# KiCad board ClockIOT.kicad_pcb (continued)
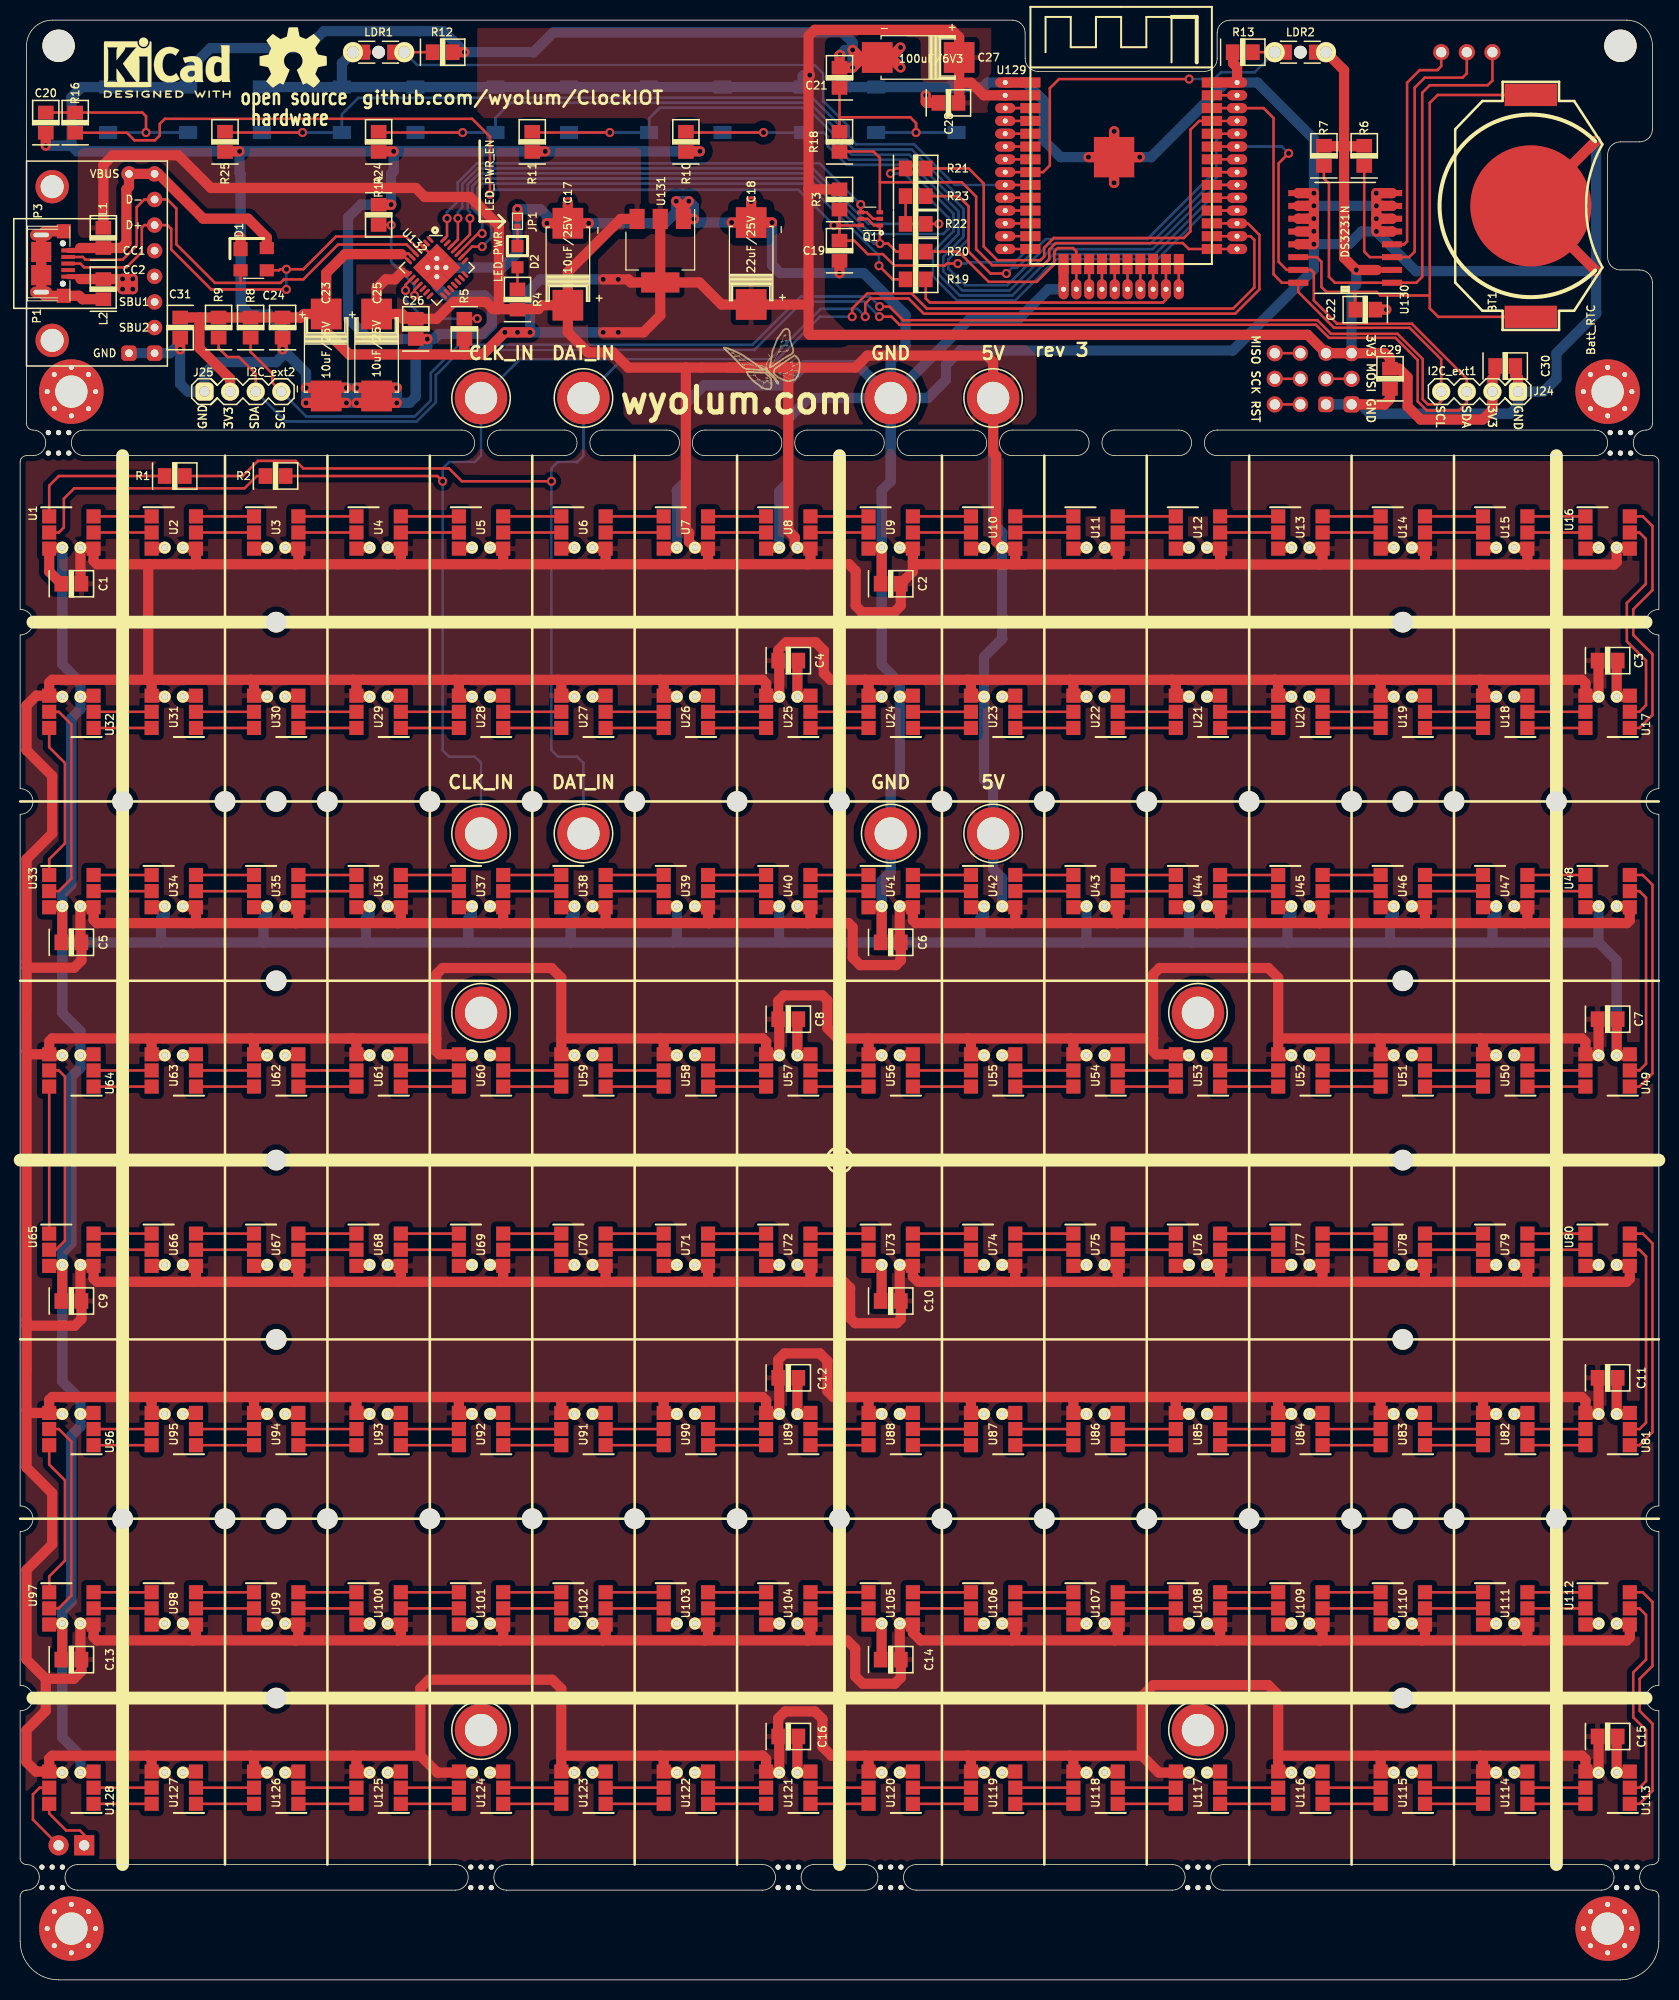
[diagram p0: board, top side]
## Routing (per net, layer and track width the routed paths; a pad name or vN(x,y) marks a point on that pad's centre or on a via; arc(x,y) is an arc through that point)
/3V3: length 367.6
  Top w0.254: 37.88,171.11 37.84,171.11 ; 37.88,171.11 37.94,171.17 38.52,171.17 U132.6 ; 37.88,171.11 U132.7 ; LDR2.1 127.95,191.14
  Top w0.508: U130.2 134.59,169.55 134.59,169.54
  Top w1.016: 131.34,181.81 131.34,170.75 v1(132.55,169.54) 134.59,169.54 ; 131.34,181.81 131.34,189.34 LDR2.1 ; 131.34,181.81 129.34,181.81 ; 131.34,181.81 133.34,181.81 ; U131.2 U131.2 ; U131.2 67.4,168.3 69.58,166.12 C18.1 78.19,166.12 78.21,166.13 ; U131.2 63.5,165.03 61.84,163.36 v1(59.34,163.36) v1(57.84,163.36) ; U131.2 60.58,168.3 60.34,168.55 60.34,168.61 v1(59.34,168.61) v1(57.84,168.61) ; C31.2 17.78,164.83 ; 17.78,164.83 R9.1 R8.1 C24.1 27.83,164.83 ; 17.78,164.83 17.78,161.8 20.83,158.75 20.83,157.48 ; U129.2 U129.2 95.59,186.86 94.34,188.11 93.15,188.11 ; 78.21,166.13 78.21,163.24 78.34,163.11 127.72,163.11 J20.2 J18.1 135.41,161.29 135.89,160.81 C29.1 136.8,159.75 137.64,158.91 137.64,156.01 138.94,154.71 145.09,154.71 146.05,155.68 J24.3 146.05,158.78 146.32,159.05 C30.2 ; 78.21,166.13 78.21,177.58 ; R3.1 78.25,177.53 78.21,177.58 ; 78.21,177.58 78.21,188.73 v1(78.34,188.86) 78.21,188.99 78.21,192.73 78.83,193.35 92.41,193.35 93.15,192.61 C27.1 ; C23.1 28.17,165.17 27.83,164.83 ; C23.1 30.36,163.44 32.64,161.16 44.07,161.16 ; C23.1 30.36,169.24 32.23,171.11 37.84,171.11 ; 93.09,190.55 C27.1 ; C27.1 93.15,188.11 ; 27.83,164.83 28.07,165.07 ; R5.1 44.07,161.16 ; 44.07,161.16 45.89,161.16 v1(48.09,163.36) v1(49.34,163.36) v1(50.59,163.36) ; C28.1 93.15,186.17 93.15,188.11 ; LDR1.1 34.32,191.14
  Bottom w1.016: S6.3 31.91,190.03 LDR1.1 ; S6.3 S6.1 ; S6.3 S5.1 S5.3 S2.1 S2.3 S1.1 S1.3 77.63,188.76 77.72,188.85 78.32,188.85 v1(78.34,188.86) ; v1(50.59,163.36) v1(57.84,163.36) v1(59.34,163.36) ; v1(50.59,163.36) v1(49.34,163.36) v1(48.09,163.36) ; v1(50.59,163.36) 50.59,167.61 51.59,168.61 v1(57.84,168.61) v1(59.34,168.61) ; v1(132.55,169.54) 132.55,168.12 132.08,167.66 J18.1
/5V: length 2163.9
  Top w0.254: U132.8 38.35,169.29
  Top w0.508: 38.35,169.29 38.23,169.29 38.23,169.29 37.85,169.29
  Top w1.016: 149.52,140.34 158.12,140.34 158.38,140.6 158.38,142.01 159.58,142.01 U16.4 ; 149.52,140.34 U15.4 149.42,142.01 148.22,142.01 ; 149.52,140.34 139.06,140.34 ; 124.46,128.91 134.62,128.91 ; 124.46,128.91 114.3,128.91 ; 124.46,128.91 124.8,128.56 U20.4 124.9,127.23 U20.4 ; 134.62,128.91 144.78,128.91 ; 134.62,128.91 134.62,128.88 134.96,128.54 U19.4 135.06,127.23 U19.4 ; 47.63,69.22 57.79,69.22 ; 47.63,69.22 47.92,69.51 47.92,70.79 47.82,70.89 46.62,70.89 ; 47.63,69.22 37.46,69.22 ; 57.79,69.22 58.08,69.51 U70.4 57.98,70.89 56.78,70.89 ; 57.79,69.22 67.94,69.22 ; 43.18,57.79 43.52,57.45 U92.4 43.62,56.11 U92.4 ; 43.18,57.79 33.02,57.79 ; 43.18,57.79 53.34,57.79 ; 57.79,140.36 67.94,140.36 ; 57.79,140.36 58.08,140.66 U6.4 57.98,142.01 56.78,142.01 ; 57.79,140.36 47.63,140.36 ; 67.94,140.36 78.11,140.36 ; 67.94,140.36 68.24,140.66 U7.4 68.14,142.01 U7.4 66.34,142.61 66.34,143.5 66.04,143.81 66.04,159.85 66.06,159.86 ; 98.43,104.78 88.86,104.78 88.56,105.07 U41.4 88.46,106.45 U41.4 87.26,102.97 C6.1 87.36,101.08 86.89,100.61 83.34,100.61 82.59,101.36 82.59,104.36 82.17,104.78 78.11,104.78 ; 98.43,104.78 108.84,104.78 ; 98.43,104.78 98.72,105.07 U42.4 98.62,106.45 U42.4 ; 144.78,128.91 154.94,128.91 155.28,128.56 155.28,127.33 155.38,127.23 U17.4 156.58,130.71 C3.2 ; 144.78,128.91 145.12,128.56 145.12,127.33 145.22,127.23 U18.4 ; 41.27,93.35 41.27,99.7 41.91,100.33 52.71,100.33 53.68,99.36 53.68,93.35 ; 41.27,93.35 41.27,92.08 41.58,91.77 U60.4 43.62,91.67 U60.4 ; 41.27,93.35 32.38,93.35 ; 88.56,140.66 U9.4 88.46,142.01 U9.4 ; 88.56,140.66 88.56,139.64 87.36,138.44 C2.1 87.36,136.27 86.71,135.61 83.52,135.61 82.89,136.24 82.89,139.7 82.22,140.36 78.11,140.36 ; 88.56,140.66 88.86,140.36 99.68,140.36 ; 37.46,140.36 47.63,140.36 ; 37.46,140.36 37.76,140.66 U4.4 37.66,142.01 U4.4 ; 37.46,140.36 27.3,140.36 ; 47.63,140.36 47.92,140.66 47.92,141.91 47.82,142.01 46.62,142.01 ; 12.7,22.23 3.18,22.23 2.88,21.93 U128.4 ; 12.7,22.23 13.04,21.89 U127.4 13.14,20.55 U127.4 ; 12.7,22.23 22.86,22.23 ; 12.84,140.36 7.62,140.36 7.28,140.7 U1.4 7.18,142.01 U1.4 5.98,138.53 C1.1 ; 12.84,140.36 17.15,140.36 ; 12.84,140.36 12.7,140.23 12.7,128.91 ; U45.4 129.1,106.45 U45.4 129.2,105.07 128.91,104.78 ; 0.65,64.86 0.63,56.52 ; 0.65,64.86 0.63,65.41 0.63,92.08 ; 0.65,64.86 5.42,64.86 6.08,65.52 C9.1 5.98,67.41 U65.4 7.18,70.89 U65.4 7.28,69.56 7.62,69.22 17.15,69.22 ; 0.63,56.52 0.94,56.21 U96.4 ; 0.63,56.52 0.63,50.8 3.18,48.26 3.18,43.18 0.63,40.64 0.63,31.75 2.54,29.85 ; 17.15,33.66 27.3,33.66 ; 17.15,33.66 17.44,33.95 U98.4 17.34,35.33 U98.4 ; 17.15,33.66 7.62,33.66 7.28,34 U97.4 7.18,35.33 U97.4 5.98,31.85 C13.1 6.08,30.61 5.31,29.85 2.54,29.85 ; 27.3,33.66 37.46,33.66 ; 27.3,33.66 27.6,33.95 U99.4 27.5,35.33 U99.4 ; 61.2,174.6 59.57,174.6 54.34,169.36 C17.1 ; 149.22,69.22 159.39,69.22 159.68,69.51 U80.4 159.58,70.89 158.38,70.89 ; 149.22,69.22 149.52,69.51 U79.4 149.42,70.89 148.22,70.89 ; 149.22,69.22 139.06,69.22 ; 134.62,22.23 124.8,22.23 ; 134.62,22.23 134.96,21.89 U115.4 135.06,20.55 U115.4 ; 134.62,22.23 144.78,22.23 ; 124.8,22.23 124.8,28.24 123.81,29.22 112.41,29.22 111.28,28.1 111.28,22.23 ; 124.8,22.23 U116.4 124.9,20.55 U116.4 ; 12.7,57.79 22.86,57.79 ; 12.7,57.79 12.7,57.76 13.04,57.42 U95.4 13.14,56.11 U95.4 ; 12.7,57.79 3.18,57.79 2.88,57.49 U96.4 ; 22.86,57.79 33.02,57.79 ; 22.86,57.79 23.2,57.45 U94.4 23.3,56.11 U94.4 ; 0.65,100.36 0.63,100.97 0.63,111.12 3.18,113.67 3.18,119.38 0.63,121.92 0.63,126.37 1.6,127.33 U32.4 ; 0.65,100.36 0.63,92.08 ; 0.65,100.36 5.36,100.36 6.08,101.08 C5.1 5.98,102.97 U33.4 7.18,106.45 U33.4 7.28,105.12 7.62,104.78 17.15,104.78 ; 0.63,92.08 0.94,91.77 U64.4 ; 17.15,104.78 17.44,105.07 U34.4 17.34,106.45 U34.4 ; 17.15,104.78 27.3,104.78 ; 134.62,93.35 134.96,93.01 U51.4 135.06,91.67 U51.4 ; 134.62,93.35 124.8,93.35 ; 134.62,93.35 144.78,93.35 ; U27.4 53.78,127.23 U27.4 53.68,128.56 53.34,128.91 ; 46.62,106.45 47.82,106.45 47.92,106.35 47.92,105.07 47.63,104.78 ; 108.59,69.22 118.75,69.22 ; 108.59,69.22 98.43,69.22 ; 108.59,69.22 108.88,69.51 U75.4 108.78,70.89 U75.4 ; 118.75,69.22 119.04,69.51 U76.4 118.94,70.89 U76.4 ; 118.75,69.22 128.91,69.22 ; U118.4 104.58,20.55 U118.4 104.48,21.89 104.14,22.23 ; U64.4 2.88,93.05 3.18,93.35 12.7,93.35 ; U64.4 2.98,91.67 U64.4 ; 17.15,69.22 27.3,69.22 ; 17.15,69.22 17.44,69.51 U66.4 17.34,70.89 U66.4 ; 27.3,69.22 27.6,69.51 U67.4 27.5,70.89 U67.4 ; 27.3,69.22 37.46,69.22 ; 84.09,93.35 84.16,93.27 84.16,91.77 84.26,91.67 U56.4 ; 84.09,93.35 81.1,93.35 80.09,94.36 80.09,97.11 79.59,97.61 75.77,97.61 75.2,97.04 C8.2 75.3,95.15 U57.4 74.1,91.67 U57.4 74,93.01 73.66,93.35 63.5,93.35 ; 84.09,93.35 93.98,93.35 ; 78.11,140.36 78.4,140.66 U8.4 78.3,142.01 U8.4 76.84,142.28 76.84,143.05 76.2,143.68 76.2,159.86 76.21,159.86 ; U104.4 78.3,35.33 U104.4 78.4,33.95 78.11,33.66 ; 17.15,140.36 27.3,140.36 ; 17.15,140.36 17.44,140.66 U2.4 17.34,142.01 U2.4 ; 27.3,140.36 27.6,140.66 U3.4 27.5,142.01 U3.4 ; U93.4 33.46,56.11 U93.4 33.36,57.45 33.02,57.79 ; 128.91,140.34 121.88,140.34 121.86,140.36 118.75,140.36 ; 128.91,140.34 129.2,140.63 U13.4 129.1,142.01 U13.4 ; 128.91,140.34 139.06,140.34 ; U32.4 2.98,127.23 U32.4 ; U32.4 2.88,128.61 3.18,128.91 12.7,128.91 ; U85.4 114.74,56.11 U85.4 114.64,57.45 114.3,57.79 ; 124.8,93.35 U52.4 124.9,91.67 U52.4 ; 124.8,93.35 124.8,99.36 123.83,100.33 113.03,100.33 112.4,99.7 112.4,93.35 ; 139.06,33.66 139.36,33.95 U110.4 139.26,35.33 U110.4 ; 139.06,33.66 149.22,33.66 ; 139.06,33.66 128.91,33.66 ; 83.82,22.23 80.47,22.23 79.59,23.11 79.59,25.86 78.84,26.61 75.89,26.61 75.2,25.92 C16.2 75.3,24.03 U121.4 74.1,20.55 U121.4 74,21.89 73.66,22.23 63.5,22.23 ; 83.82,22.23 93.98,22.23 ; 83.82,22.23 84.16,21.89 84.16,20.65 84.26,20.55 U120.4 ; 22.86,93.35 32.99,93.35 33.36,92.98 U61.4 33.46,91.67 U61.4 ; 22.86,93.35 12.7,93.35 ; 22.86,93.35 23.2,93.01 U62.4 23.3,91.67 U62.4 ; 104.14,128.91 104.48,128.56 U22.4 104.58,127.23 U22.4 ; 104.14,128.91 114.3,128.91 ; 104.14,128.91 93.98,128.91 ; 53.34,57.79 63.5,57.79 ; 53.34,57.79 53.68,57.45 U91.4 53.78,56.11 U91.4 ; 63.5,57.79 73.66,57.79 74,57.45 U89.4 74.1,56.11 U89.4 75.3,59.59 C12.2 75.2,61.48 75.83,62.11 79.34,62.11 80.09,61.36 80.09,58.36 80.66,57.79 83.82,57.79 ; 63.5,57.79 63.84,57.45 U90.4 63.94,56.11 U90.4 ; 118.75,33.66 119.04,33.95 U108.4 118.94,35.33 U108.4 ; 118.75,33.66 108.59,33.66 ; 118.75,33.66 128.91,33.66 ; 83.82,57.79 84.16,57.45 84.16,56.21 84.26,56.11 U88.4 ; 83.82,57.79 93.34,57.79 ; 57.79,33.66 58.08,33.95 U102.4 57.98,35.33 56.78,35.33 ; 57.79,33.66 47.63,33.66 ; 57.79,33.66 67.94,33.66 ; 37.46,69.22 37.76,69.51 U68.4 37.66,70.89 U68.4 ; 139.06,140.34 139.36,140.63 U14.4 139.26,142.01 U14.4 ; 104.14,57.79 104.48,57.45 U86.4 104.58,56.11 U86.4 ; 104.14,57.79 114.3,57.79 ; 104.14,57.79 93.34,57.79 ; 93.34,57.79 93.95,57.79 94.32,57.42 U87.4 94.42,56.11 U87.4 ; U125.4 33.46,20.55 U125.4 33.36,21.89 33.02,22.23 ; 108.84,104.78 108.88,104.82 U43.4 108.78,106.45 U43.4 ; 108.84,104.78 118.75,104.78 ; 98.43,33.66 89.34,33.66 88.56,34.43 U105.4 88.46,35.33 U105.4 87.26,31.85 C14.1 87.36,29.96 86.76,29.36 83.59,29.36 82.84,30.11 82.84,32.86 82.04,33.66 78.11,33.66 ; 98.43,33.66 98.72,33.95 U106.4 98.62,35.33 U106.4 ; 98.43,33.66 108.59,33.66 ; 27.3,104.78 27.6,105.07 U35.4 27.5,106.45 U35.4 ; 27.3,104.78 37.46,104.78 ; 112.4,93.35 112.4,92.08 112.7,91.77 U53.4 114.74,91.67 U53.4 ; 112.4,93.35 104.14,93.35 ; 124.46,57.79 133.99,57.79 ; 124.46,57.79 124.8,57.45 U84.4 124.9,56.11 U84.4 ; 124.46,57.79 114.3,57.79 ; 133.99,57.79 144.78,57.79 ; 133.99,57.79 134.59,57.79 134.96,57.42 U83.4 135.06,56.11 U83.4 ; 98.43,69.22 89.09,69.22 88.56,69.74 U73.4 88.46,70.89 U73.4 87.26,67.41 C10.1 87.36,65.52 86.95,65.11 82.84,65.11 82.34,65.61 82.34,68.61 81.73,69.22 78.11,69.22 ; 98.43,69.22 98.72,69.51 U74.4 98.62,70.89 U74.4 ; 12.7,93.35 13.04,93.01 U63.4 13.14,91.67 U63.4 ; 53.68,93.35 63.5,93.35 ; 53.68,93.35 U59.4 53.78,91.67 U59.4 ; 111.28,22.23 112.96,20.55 U117.4 114.74,20.55 U117.4 ; 111.28,22.23 104.14,22.23 ; U77.4 129.1,70.89 U77.4 129.2,69.51 128.91,69.22 ; L1.1 8.26,179.96 9.2,180.91 15.69,180.91 18.92,177.67 39.24,177.67 40.13,176.78 44.63,176.78 47.49,173.93 47.49,165.67 47.48,165.66 ; 66.06,159.86 60.34,159.86 58.84,161.36 56.34,161.36 54.34,163.36 C17.1 ; 66.06,159.86 70.34,159.86 ; U44.4 118.94,106.45 U44.4 119.04,105.07 118.75,104.78 ; U21.4 114.74,127.23 U21.4 114.64,128.56 114.3,128.91 ; 63.5,93.35 63.84,93.01 U58.4 63.94,91.67 U58.4 ; 39.7,22.23 39.7,28.91 40.55,29.76 52.79,29.76 53.68,28.87 53.68,22.23 ; 39.7,22.23 41.38,20.55 U124.4 43.62,20.55 U124.4 ; 39.7,22.23 33.02,22.23 ; 144.78,57.79 145.12,57.45 145.12,56.21 145.22,56.11 U82.4 ; 144.78,57.79 154.91,57.79 155.28,57.42 155.28,56.21 155.38,56.11 U81.4 156.58,59.59 C11.2 ; U96.4 2.98,56.11 U96.4 ; 22.86,128.91 23.2,128.56 U30.4 23.3,127.23 U30.4 ; 22.86,128.91 33.02,128.91 ; 22.86,128.91 12.7,128.91 ; U103.4 68.14,35.33 U103.4 68.24,33.95 67.94,33.66 ; 47.63,33.66 37.46,33.66 ; 47.63,33.66 47.92,33.95 47.92,35.23 47.82,35.33 46.62,35.33 ; 37.46,33.66 37.76,33.95 U100.4 37.66,35.33 U100.4 ; U40.4 78.3,106.45 U40.4 78.4,105.07 78.11,104.78 ; 49.34,165.66 48.29,165.66 ; 49.34,165.66 47.48,165.66 ; 49.34,165.66 51.41,165.66 51.79,166.05 C17.1 ; 56.78,106.45 57.98,106.45 U38.4 58.08,105.07 57.79,104.78 ; 99.68,140.36 98.43,140.36 98.72,140.66 U10.4 98.62,142.01 U10.4 96.82,142.61 96.82,151.14 96.52,151.44 J7.1 96.52,160.43 95.9,161.05 84.05,161.05 82.86,159.86 76.21,159.86 ; 99.68,140.36 108.59,140.36 ; 47.63,104.78 57.79,104.78 ; 47.63,104.78 37.46,104.78 ; 57.79,104.78 68.33,104.78 ; 128.91,104.78 118.75,104.78 ; 128.91,104.78 139.06,104.78 ; U72.4 78.3,70.89 U72.4 78.4,69.51 78.11,69.22 ; 37.85,169.29 37.16,168.61 36.26,168.61 35.36,167.71 C25.1 37.9,165.17 37.99,165.08 37.99,164.7 C26.1 41.32,164.7 42.99,166.37 46.23,166.37 46.94,165.66 47.48,165.66 ; 104.14,93.35 93.98,93.35 ; 104.14,93.35 104.48,93.01 U54.4 104.58,91.67 U54.4 ; 128.91,33.66 129.2,33.95 U109.4 129.1,35.33 U109.4 ; 76.21,159.86 70.34,159.86 ; 149.22,104.78 159.39,104.78 159.68,105.07 U48.4 159.58,106.45 158.38,106.45 ; 149.22,104.78 149.52,105.07 U47.4 149.42,106.45 148.22,106.45 ; 149.22,104.78 139.06,104.78 ; 12.7,128.91 13.04,128.56 U31.4 13.14,127.23 U31.4 ; 53.68,22.23 U123.4 53.78,20.55 U123.4 ; 53.68,22.23 63.5,22.23 ; 128.91,69.22 139.06,69.22 ; 144.78,22.23 154.94,22.23 155.28,21.89 155.28,20.65 155.38,20.55 U113.4 156.58,24.03 C15.2 ; 144.78,22.23 145.12,21.89 145.12,20.65 145.22,20.55 U114.4 ; U50.4 145.22,91.67 145.12,91.77 145.12,93.01 144.78,93.35 ; U122.4 63.94,20.55 U122.4 63.84,21.89 63.5,22.23 ; U128.4 2.98,20.55 U128.4 ; U128.4 1.58,20.65 0.63,21.59 0.63,24.77 2.54,26.67 2.54,29.85 ; 139.06,69.22 139.36,69.51 U78.4 139.26,70.89 U78.4 ; U26.4 63.94,127.23 U26.4 63.84,128.56 63.5,128.91 ; 93.98,22.23 104.14,22.23 ; 93.98,22.23 94.32,21.89 U119.4 94.42,20.55 U119.4 ; 149.22,33.66 159.39,33.66 159.68,33.95 U112.4 159.58,35.33 158.38,35.33 ; 149.22,33.66 149.52,33.95 U111.4 149.42,35.33 148.22,35.33 ; 33.02,128.91 43.18,128.91 ; 33.02,128.91 33.36,128.56 U29.4 33.46,127.23 U29.4 ; 93.98,93.35 94.32,93.01 U55.4 94.42,91.67 U55.4 ; 37.46,104.78 37.76,105.07 U36.4 37.66,106.45 U36.4 ; C7.2 156.58,95.15 U49.4 155.38,91.67 155.28,91.77 155.28,93.01 154.94,93.35 144.78,93.35 ; 53.34,128.91 43.18,128.91 ; 53.34,128.91 63.5,128.91 ; 78.11,69.22 67.94,69.22 ; 70.34,159.86 72.84,159.86 ; U23.4 94.42,127.23 U23.4 94.32,128.56 93.98,128.91 ; 43.18,128.91 43.52,128.56 U28.4 43.62,127.23 U28.4 ; 108.59,33.66 108.88,33.95 U107.4 108.78,35.33 U107.4 ; 63.5,128.91 73.66,128.91 73.66,128.88 74,128.54 U25.4 74.1,127.23 U25.4 75.3,130.71 C4.2 75.2,131.84 76,132.63 78.92,132.63 79.72,131.82 79.72,129.56 80.38,128.91 83.82,128.91 ; 33.02,22.23 22.86,22.23 ; 67.94,33.66 78.11,33.66 ; 78.11,104.78 68.33,104.78 ; 139.06,104.78 139.36,105.07 U46.4 139.26,106.45 U46.4 ; 108.59,140.36 118.75,140.36 ; 108.59,140.36 108.88,140.66 U11.4 108.78,142.01 U11.4 ; U126.4 23.3,20.55 U126.4 23.2,21.89 22.86,22.23 ; 118.75,140.36 119.04,140.66 U12.4 118.94,142.01 U12.4 ; 93.98,128.91 83.82,128.91 ; 68.33,104.78 68.24,104.86 U39.4 68.14,106.45 U39.4 ; 67.94,69.22 68.24,69.51 U71.4 68.14,70.89 U71.4 ; 83.82,128.91 84.16,128.56 84.16,127.33 84.26,127.23 U24.4
  Bottom w1.016: J7.1 96.52,144.43 97.42,143.53 U10.4 97.42,132.98 95.62,131.18 U23.4 95.62,119.01 96.52,118.11 J15.1 96.52,110.13 97.42,109.23 U42.4
/esp_pwr_uart/VBUS: length 30.5
  Top w0.508: 5.95,171.72 5.95,171.48 5.94,171.48 P1.1
  Top w1.016: 5.95,171.72 L1.2 10.05,171.72 10.54,172.22 10.54,177.55 10.8,177.8 P3.1 P3.2 13.72,179.07 18.16,174.62 22.61,174.62 24.46,172.77 D1.4
GND: length 1429.8
  Top w0.254: 41.84,171.26 41.97,171.12 41.97,170.41 ; U132.29 41.14,170.67 U132.3
  Top w0.508: P1.5 5.94,168.88 5.98,168.84 5.98,168.64
  Top w1.016: v1(70.59,174.24) C18.2 ; C18.2 72.52,176.32 v1(72.52,176.32) ; C18.2 74.58,174.24 v1(74.59,174.24) ; v1(156.34,169.42) BT1.2 149.87,175.9 v1(156.33,182.36) ; U103.3 63.94,35.33 U103.3 ; v1(128.34,173.38) 128.34,172.11 v1(128.35,172.1) 126.81,172.1 U130.13 ; v1(128.34,173.38) 128.31,173.36 U130.12 ; v1(128.34,173.38) v1(128.34,174.63) ; v1(134.53,175.9) v1(134.53,174.62) ; v1(134.53,175.9) 134.53,175.91 v1(134.53,177.16) 136.09,177.16 U130.8 ; v1(134.53,175.9) 136.09,175.9 U130.7 ; v1(134.53,174.62) 136.09,174.62 U130.6 ; v1(134.53,174.62) v1(134.53,173.36) 136.09,173.36 U130.5 ; U53.3 118.94,91.67 U53.3 ; U52.3 129.1,91.67 U52.3 ; U107.3 104.58,35.33 U107.3 ; U113.3 159.58,20.55 158.38,20.55 158.38,24.03 C15.1 ; U110.3 135.06,35.33 U110.3 ; C28.2 89.95,186.11 89.84,186.22 v1(89.84,186.86) ; U129.15 U129.15 ; U62.3 27.5,91.67 U62.3 ; U68.3 33.46,70.89 U68.3 ; U69.3 43.62,70.89 U69.3 ; U14.3 135.06,142.01 U14.3 ; U118.3 108.78,20.55 U118.3 ; U120.3 88.46,20.55 U120.3 ; v1(10.16,168.66) v1(10.16,167.64) v1(11.18,167.64) v1(11.18,168.66) v1(10.16,168.66) ; v1(10.16,168.66) 10.14,168.64 L2.1 5.98,168.64 ; U26.3 68.14,127.23 U26.3 ; U86.3 108.78,56.11 U86.3 ; C11.1 158.38,59.59 158.38,56.11 159.58,56.11 U81.3 ; U129.1 U129.1 ; v1(81.28,169.23) 81.28,169.24 C19.2 ; 47.92,20.65 47.82,20.55 46.62,20.55 ; U131.1 v1(66.84,174.6) ; U131.1 65.8,175.65 v1(65.09,176.36) ; U131.1 65.8,175.83 v1(66.34,176.36) ; U5.3 43.62,142.01 U5.3 ; U6.3 53.78,142.01 U6.3 ; U122.3 68.14,20.55 U122.3 ; U85.3 118.94,56.11 U85.3 ; U80.3 155.38,70.89 155.28,70.79 ; C17.2 52.26,174.17 v1(52.26,174.17) ; C17.2 56.4,174.17 v1(56.4,174.17) ; C17.2 v1(54.34,176.25) ; U12.3 114.74,142.01 U12.3 ; C25.2 34.54,157.86 v1(33.36,157.86) ; C25.2 36.17,157.86 v1(37.36,157.86) ; C25.2 36.04,156.36 v1(37.36,156.36) ; C25.2 34.67,156.36 v1(33.36,156.36) ; U115.3 139.26,20.55 U115.3 ; U64.3 7.18,91.67 U64.3 ; C23.2 29.67,156.36 v1(28.36,156.36) ; C23.2 31.17,157.86 v1(32.36,157.86) ; C23.2 31.04,156.36 v1(32.36,156.36) ; C23.2 29.54,157.86 v1(28.36,157.86) ; 56.78,91.67 57.98,91.67 U59.3 ; 145.12,35.23 145.22,35.33 U111.3 ; U66.3 13.14,70.89 U66.3 ; U3.3 23.3,142.01 U3.3 ; U98.3 13.14,35.33 U98.3 ; 155.28,106.35 155.38,106.45 U48.3 ; C2.2 85.46,138.53 U9.3 84.26,142.01 84.16,141.91 ; C1.2 2.88,139.63 U1.3 2.98,142.01 U1.3 ; v1(81.34,190.86) 81.28,190.81 C21.1 82.57,189.6 v1(82.59,189.61) 83.59,190.61 C27.2 ; U100.3 33.46,35.33 U100.3 ; C10.2 85.46,67.41 U73.3 84.26,70.89 84.16,70.79 ; U76.3 114.74,70.89 U76.3 ; C4.1 77.1,130.71 U25.3 78.3,127.23 U25.3 ; U10.3 94.42,142.01 U10.3 ; U2.3 13.14,142.01 U2.3 ; U24.3 88.46,127.23 U24.3 ; U34.3 13.14,106.45 U34.3 ; U127.3 17.34,20.55 U127.3 ; R24.2 35.62,181.3 v1(37.05,181.3) ; C14.2 85.46,31.85 U105.3 84.26,35.33 84.16,35.23 ; v1(128.35,175.9) 128.35,174.64 v1(128.34,174.63) ; v1(128.34,175.9) v1(128.34,177.16) 126.8,177.16 U130.9 ; v1(128.35,175.9) 126.8,175.9 U130.10 ; C13.2 4.18,31.85 U97.3 2.98,35.33 U97.3 ; 148.22,127.23 149.42,127.23 U18.3 ; U108.3 114.74,35.33 U108.3 ; C31.1 v1(15.88,161.67) ; C6.2 85.46,102.97 U41.3 84.26,106.45 84.16,106.35 ; U15.3 145.22,142.01 145.12,141.91 ; U51.3 139.26,91.67 U51.3 ; U130.11 126.8,174.63 v1(128.34,174.63) ; U88.3 88.46,56.11 U88.3 ; 66.04,181.29 66.06,181.31 v1(67.44,181.31) ; U23.3 98.62,127.23 U23.3 ; 148.22,20.55 149.42,20.55 U114.3 ; U123.3 57.98,20.55 56.78,20.55 ; U117.3 118.94,20.55 U117.3 ; U7.3 63.94,142.01 U7.3 ; U96.3 7.18,56.11 U96.3 ; U40.3 74.1,106.45 U40.3 ; U95.3 17.34,56.11 U95.3 ; U89.3 78.3,56.11 U89.3 77.1,59.59 C12.1 ; U94.3 27.5,56.11 U94.3 ; U102.3 53.78,35.33 U102.3 ; C20.2 v1(2.54,181.86) ; U90.3 68.14,56.11 U90.3 ; U13.3 124.9,142.01 U13.3 ; U29.3 37.66,127.23 U29.3 ; U55.3 98.62,91.67 U55.3 ; U44.3 114.74,106.45 U44.3 ; U125.3 37.66,20.55 U125.3 36.46,20.52 ; U106.3 94.42,35.33 U106.3 ; C16.1 77.1,24.03 U121.3 78.3,20.55 U121.3 ; C8.1 77.1,95.15 U57.3 78.3,91.67 U57.3 ; U45.3 124.9,106.45 U45.3 ; U87.3 98.62,56.11 U87.3 ; U119.3 98.62,20.55 U119.3 ; U31.3 17.34,127.23 U31.3 ; U50.3 149.42,91.67 148.22,91.67 ; J24.4 148.59,158.83 148.32,159.1 C30.1 ; U74.3 94.42,70.89 U74.3 ; U11.3 104.58,142.01 U11.3 ; U101.3 43.62,35.33 U101.3 ; U46.3 135.06,106.45 U46.3 ; U49.3 159.58,91.67 158.38,91.67 158.38,95.15 C7.1 ; U109.3 124.9,35.33 U109.3 ; 46.62,56.11 47.82,56.11 47.92,56.21 ; U116.3 129.1,20.55 U116.3 ; U93.3 37.66,56.11 U93.3 ; C9.2 4.18,67.41 U65.3 2.98,70.89 U65.3 ; U42.3 94.42,106.45 U42.3 ; U22.3 108.78,127.23 U22.3 ; v1(21.77,181.31) 20.38,181.31 R25.2 ; U58.3 68.14,91.67 U58.3 ; U35.3 23.3,106.45 U35.3 ; C27.2 83.34,190.61 v1(82.59,191.36) ; C27.2 86.34,190.61 ; U30.3 27.5,127.23 U30.3 ; U79.3 145.22,70.89 145.12,70.79 ; U67.3 23.3,70.89 U67.3 ; U43.3 104.58,106.45 U43.3 ; U129.39 v1(105.97,180.73) ; U129.39 v1(111.06,180.73) ; U129.39 108.52,178.19 v1(108.52,178.18) ; U129.39 108.52,183.29 v1(108.53,183.29) ; U72.3 74.1,70.89 U72.3 ; U37.3 43.62,106.45 U37.3 ; U71.3 63.94,70.89 U71.3 ; U47.3 145.22,106.45 145.12,106.35 ; C5.2 4.18,102.97 U33.3 2.98,106.45 U33.3 ; U32.3 7.18,127.23 U32.3 ; U63.3 17.34,91.67 U63.3 ; U61.3 37.66,91.67 U61.3 ; v1(40.39,162.69) 40.37,162.7 C26.2 ; U4.3 33.46,142.01 U4.3 ; U21.3 118.94,127.23 U21.3 ; U84.3 129.1,56.11 U84.3 ; U39.3 63.94,106.45 U39.3 ; U20.3 129.1,127.23 U20.3 ; 47.92,127.33 47.82,127.23 46.62,127.23 ; U91.3 57.98,56.11 56.78,56.11 ; U38.3 53.78,106.45 U38.3 ; C22.2 v1(135.53,165.61) ; U8.3 74.1,142.01 U8.3 ; 86.34,190.61 v1(87.34,191.61) ; 86.34,190.61 v1(87.34,189.61) ; JP1.1 v1(49.34,175.56) ; U75.3 104.58,70.89 U75.3 ; U82.3 149.42,56.11 148.22,56.11 ; R14.2 36.79,176.01 v1(36.8,176.02) ; U77.3 124.9,70.89 U77.3 ; R12.1 v1(44.07,191.14) ; U129.38 U129.38 120.72,189.65 120.33,190.03 120.33,191.14 ; C3.1 158.38,130.71 158.38,127.23 159.58,127.23 U17.3 ; U99.3 23.3,35.33 U99.3 ; U54.3 108.78,91.67 U54.3 ; 155.28,141.91 155.38,142.01 U16.3 ; C29.2 135.89,156.75 135.36,156.21 J23.1 ; U56.3 88.46,91.67 U56.3 ; U128.3 7.18,20.55 U128.3 ; U112.3 155.38,35.33 155.28,35.23 ; U70.3 53.78,70.89 U70.3 ; 56.78,127.23 57.98,127.23 U27.3 ; U83.3 139.26,56.11 U83.3 ; U104.3 74.1,35.33 U104.3 ; U78.3 135.06,70.89 U78.3 ; 50.8,181.29 50.81,181.3 v1(52.1,181.3) ; 46.62,91.67 47.82,91.67 47.92,91.77 ; v1(21.87,172.75) 21.87,172.74 D1.1 ; U36.3 33.46,106.45 U36.3 ; U126.3 27.5,20.55 U126.3 ; U19.3 139.26,127.23 U19.3 ; C24.2 v1(26.04,161.67)
  Bottom w1.016: 120.65,188.13 U129.38 ; U129.38 122.74,188.13 128.34,182.52 v1(128.34,177.16) ; U129.38 119.6,188.13 112.2,180.73 v1(111.06,180.73) 108.52,180.73 ; 108.52,180.73 v1(105.97,180.73) 103.21,180.73 101.55,182.39 101.55,186.32 99.74,188.13 U129.1 95.98,188.13 95.52,187.67 S4.3 89.84,187.67 ; 108.52,180.73 v1(108.52,178.18) ; 108.52,180.73 108.53,180.74 v1(108.53,183.29) ; 24.13,102.87 24.13,105.23 24.5,105.6 U35.3 ; 24.13,102.87 13.97,102.87 ; 24.13,102.87 34.29,102.87 ; 5.09,181.86 5.09,186.67 6.08,187.67 S3.1 S3.3 16.68,189.34 18.87,191.54 28.45,191.54 30.12,193.22 41.99,193.22 v1(44.07,191.14) 50.93,191.14 52.9,193.11 81.59,193.11 82.59,192.11 v1(82.59,191.36) ; 5.09,181.86 v1(2.54,181.86) ; 5.09,181.86 5.09,181.86 5.64,181.31 v1(21.77,181.31) ; 146.05,102.87 156.58,102.87 ; 146.05,102.87 146.05,105.23 146.42,105.6 U47.3 ; 146.05,102.87 135.89,102.87 ; 156.58,102.87 U48.3 ; 156.58,102.87 158.38,101.07 158.38,91.67 ; J8.1 86.36,160.52 87.84,162 87.84,165.08 83.68,169.23 v1(81.28,169.23) 75.4,169.23 74.59,170.04 v1(74.59,174.24) 70.59,174.24 v1(70.59,174.24) 67.19,174.24 v1(66.84,174.6) 66.84,175.86 v1(66.34,176.36) v1(65.09,176.36) 65.09,175.3 63.96,174.17 v1(56.4,174.17) 54.32,174.17 ; J8.1 78.23,156.85 76.21,154.82 76.21,148.48 75.3,147.58 U8.3 ; J8.1 94.12,164.61 98.97,164.61 101.99,167.63 U129.15 ; J8.1 83.09,160.11 77.84,160.11 75.84,158.11 67.84,158.11 66.03,156.31 66.03,148.56 65.14,147.67 U7.3 ; J8.1 86.36,153.29 ; J8.1 90.04,156.85 91.84,158.64 91.84,160.11 93.28,161.56 120.3,161.56 128.35,169.61 v1(128.35,172.1) 131.82,172.1 133.08,173.36 v1(134.53,173.36) 138.48,169.42 v1(156.34,169.42) ; 89.84,187.67 v1(89.84,186.86) ; 89.84,187.67 S4.1 82.28,187.67 81.34,188.61 v1(81.34,190.86) 81.84,191.36 v1(82.59,191.36) ; 105.41,102.87 105.78,103.24 U43.3 ; 105.41,102.87 95.25,102.87 ; 105.41,102.87 116.21,102.87 ; 44.45,102.87 44.45,105.23 44.82,105.6 U37.3 ; 44.45,102.87 34.29,102.87 ; 44.45,102.87 54.61,102.87 ; 54.32,174.17 v1(52.26,174.17) 52.26,174.92 51.62,175.56 v1(49.34,175.56) 49.34,171.25 47.85,169.77 U132.29 ; 54.32,174.17 54.34,174.18 v1(54.34,176.25) ; U36.3 34.66,105.6 34.29,105.23 34.29,102.87 ; U44.3 115.94,103.14 116.21,102.87 ; 125.73,102.87 116.21,102.87 ; 125.73,102.87 135.89,102.87 ; 125.73,102.87 125.73,105.23 126.1,105.6 U45.3 ; v1(28.36,157.86) v1(28.36,156.36) v1(33.36,156.36) ; v1(28.36,157.86) v1(32.36,157.86) ; v1(28.36,157.86) 28.36,159.35 v1(26.04,161.67) ; 86.36,153.29 86.36,148.59 85.46,147.69 U9.3 85.46,130.41 87.26,128.61 U24.3 87.26,119.01 86.36,118.11 J16.1 86.36,109.86 85.46,108.96 U41.3 85.46,103 85.34,102.87 ; 86.36,153.29 86.36,151.51 ; v1(33.36,156.36) v1(37.36,156.36) ; v1(33.36,156.36) v1(33.36,157.86) ; 135.89,102.87 135.89,105.23 136.26,105.6 U46.3 ; v1(32.36,157.86) v1(32.36,156.36) ; v1(32.36,157.86) v1(33.36,157.86) ; v1(33.36,157.86) v1(37.36,157.86) v1(37.36,156.36) ; v1(37.36,156.36) 38.63,156.36 39.24,156.96 39.24,160.81 40.39,161.96 v1(40.39,162.69) ; P3.10 P3.9 14.86,161.29 15.24,161.67 v1(15.88,161.67) 15.88,158.24 16.64,157.48 J25.4 18.29,159.26 19.43,160.4 25.4,160.4 26.04,161.03 v1(26.04,161.67) ; v1(82.59,189.61) v1(82.59,191.36) ; v1(26.04,161.67) 26.04,163.78 24.69,165.13 22.76,165.13 21.87,166.01 v1(21.87,172.75) 21.87,178.99 21.77,179.1 v1(21.77,181.31) ; 75.56,102.87 75.3,103.14 U40.3 ; 75.56,102.87 85.34,102.87 ; 75.56,102.87 64.77,102.87 ; 13.97,102.87 13.97,105.23 14.34,105.6 U34.3 ; 13.97,102.87 4.19,102.87 4.18,102.86 ; v1(40.39,162.69) 41.02,162.69 41.53,163.19 45.95,163.19 46.79,164.03 46.79,166.32 46.1,167 42.29,167 41.34,167.96 U132.29 ; v1(40.39,162.69) 34.59,162.69 32.54,164.74 32.54,174.75 33.81,176.02 v1(36.8,176.02) 36.8,179.1 37.05,179.34 v1(37.05,181.3) ; v1(67.44,181.31) 67.43,181.3 v1(52.1,181.3) v1(37.05,181.3) ; 54.61,102.87 64.77,102.87 ; 54.61,102.87 54.61,105.23 54.98,105.6 U38.3 ; 64.77,102.87 65.14,103.24 U39.3 ; v1(37.05,181.3) 21.77,181.3 v1(21.77,181.31) ; 4.18,102.86 4.18,95.86 5.98,94.06 U64.3 5.98,90.44 5.08,89.54 5.08,73.03 4.18,72.12 U65.3 4.18,59.32 5.98,57.52 U96.3 5.98,54.88 5.08,53.98 5.08,37.47 4.18,36.57 U97.3 4.18,24.03 5.98,22.23 U128.3 ; 4.18,102.86 U33.3 4.18,107.69 5.08,108.59 5.08,125.1 5.98,126 U32.3 5.98,128.64 4.18,130.44 U1.3 ; v1(128.35,175.9) v1(134.53,175.9) ; 85.34,102.87 95.25,102.87 ; v1(156.34,169.42) 156.34,165.28 156.36,165.25 152.4,161.29 152.4,158.75 151.13,157.48 J24.4 148.59,156.03 147.85,155.3 133.89,155.3 132.98,156.21 J23.1 J20.6 ; v1(156.34,169.42) v1(156.34,182.36) ; 95.25,102.87 95.25,105.23 95.62,105.6 U42.3 ; 148.27,20.5 148.22,20.55
